# Altium PCB button_PVT_P2_20180323.PcbDoc (continued)
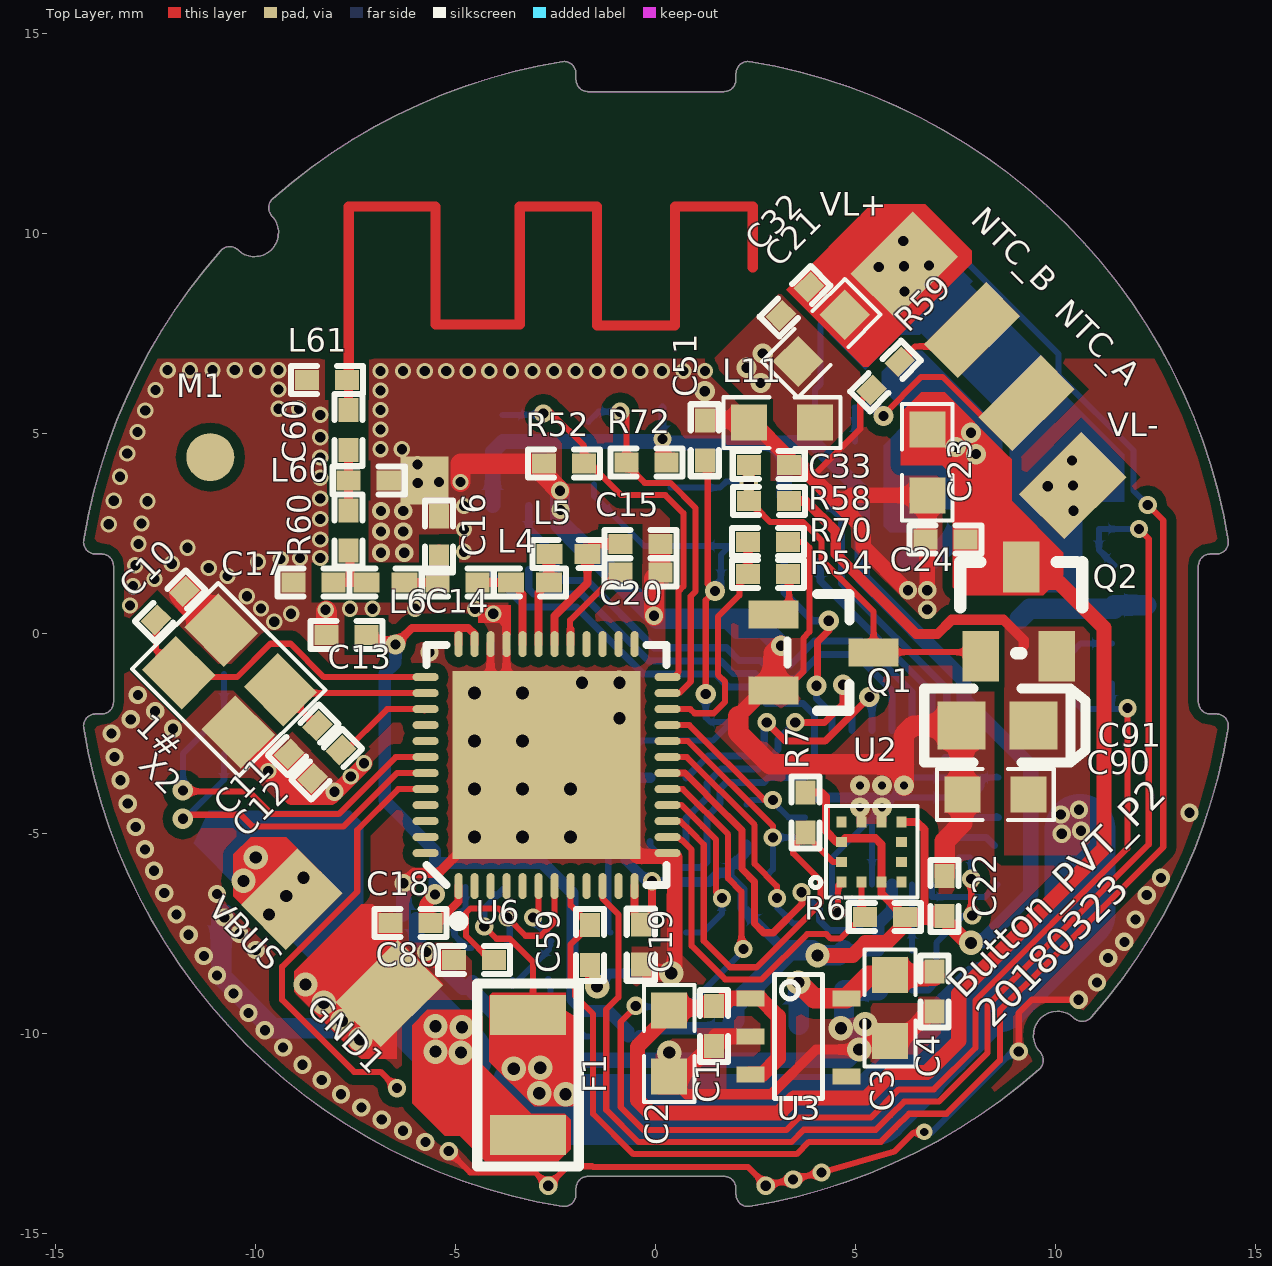
[diagram p0: Top Layer view]
## Part data
C1 C4 C22 C24 C30 C32 C33 C80: library part CAP, "厂家：Murata，型号：GRM155R71A104KA01D"
C2 C3 C21 C23 C90 C91: library part CAP, "厂家：Murata，型号：GRM188R61A106KE69D"
C10 C11: library part C0402-12p, "Capacitor, NP0, ±2%"
C12 C18 C19: library part C0402-100n, "Capacitor, X7R, ±10%"
C13: library part C0402-1n0, "Capacitor, X7R, ±10%"
C14 C60: library part C0402-3.9p, "Capacitor, NP0, ±0.1pF"
C15: library part C0402-2n2, "Capacitor, X7R, ±10%"
C16: library part C0402-1.0p, "Capacitor, NP0, ±0.1pF"
C17: library part C0402-1.5p, "Capacitor, NP0, ±0.1pF"
C20: library part C0402-47n, "Capacitor, X7R, ±10%"
C51 C52 C59: library part CAP, "Capacitor"
C58: library part CAP, "1uF/10V/X7R/10%，0402"
C59 C61: library part CAP, "0.1uF/10V/X7R/10%，0402"
C88 C89: library part CAP, "0.22uF/10V/X7R/10%，0402"
D4: library part ESD_1, "厂家：ROHM，型号：VMNZC6.8CST2RA"
D5 D7: library part "Diode 1N4148", "High Conductance Fast Diode"
D11 D12: library part "D Schottky", "Schottky Diode"
F1: library part FUSE2, "厂家：万瑞和，型号：smd1206-200"
L4 L60 L61: library part L0402-4n7, "High frequency chip inductor ±5%"
L5 L8 L10 L11: library part L0402-27n, "High frequency chip inductor ±5%"
L6: library part L0402-3n3, "High frequency chip inductor ±5%"
M1: library part PAD1, "None"
Q1: library part 2N39, "NPN General Purpose Amplifier"
Q2: library part MOSFET, "P-Channel MOSFET"
Q3: library part MOSFET, "N-Channel MOSFET"
R6 R7 R8 R16 R17 R30 R31 R32 R33 R52 R54 R58 R59 R59 R60 R70 R72 R73 R74 R75 R86 R87 R89 R91 R92: library part RES1, "厂家：Yageo，型号：RC0402FR-0720RL"
SW1: "厂家：松下，型号：EVQPLMA15"
U1: library part SN3199, "厂家：SI-EN，型号：IS31FL3199-QFLS2-TR"
U2: library part LIS2DE12, "厂家：ST，型号：LIS2DH12"
U3: library part AP3410
U6: library part nRF51x22-QFAC, "Multi-protocol Bluetooth Low Energy, ANT and 2.4GHz proprietary system-on-chip"
X2: library part NX2520SA-16MHZ-STD-CSW-5, "XTAL SMD 2520, 16MHz, 8pF, ±40ppm"

## Free pads (board coordinates)
  rect 1.2x1.2 smd: 2(-5.791,3.835)

## Via types
v1: diameter 0.457, hole 0.254, Top Layer to Bottom Layer, tented both sides, 97 vias
v2: diameter 0.406, hole 0.254, Top Layer to Bottom Layer, tented both sides, 80 vias
v3: diameter 0.61, hole 0.305, Top Layer to Bottom Layer, tented both sides, 29 vias
v4: diameter 0.508, hole 0.254, Top Layer to Bottom Layer, tented both sides, 19 vias
v5: diameter 0.66, hole 0.33, Top Layer to Bottom Layer, 10 vias
v6: diameter 0.5, hole 0.2, Top Layer to Bottom Layer, tented both sides, 5 vias
v7: diameter 0.406, hole 0.203, Top Layer to Bottom Layer, tented both sides, 1 vias

## Nets (pads, with @x,y where several pads share a name; then routed paths per layer and width w, separated by ;. In a path a pad name is that pad's centre, name@x,y a point inside that pad or via, vN(x,y) a via of type N, cw(c..) or ccw(c..) an arc to the next point about the centre after c; other vN are vias at no path point)
+3V3: C3.1 C4.1 L8.2 U3.5 | length 4.9
  Top Layer w0.508: v3(3.556,-8.712) 3.952,-9.108 U3.5 5.323,-8.547 C4.1@6.96,-8.547
  Bottom Layer w0.508: v3(3.556,-8.712) 3.569,-8.725 L8.2 L8.2@3.569,-9.775
ADC_3V3: C52.2 R89.1 U6.6 | length 3.6
  Top Layer w0.152: v1(-3.073,-7.087) -2.936,-6.95 U6.6
  Bottom Layer w0.152: C52.2@-3.589,-8.802 -3.583,-8.795 -3.57,-8.783 -2.68,-7.893 -2.68,-7.81 -2.642,-7.772 R89.1@-2.677,-7.737 ; C52.2@-3.589,-8.712 C52.2@-3.589,-8.65 ; v1(-3.073,-7.087) -3.073,-7.163 -2.692,-7.544 R89.1@-2.692,-7.628 ; R89.1@-2.739,-7.548 R89.1@-2.739,-7.675 ; R89.1@-2.692,-7.679 R89.1@-2.692,-7.675 ; R89.1@-2.739,-7.675 R89.1@-2.692,-7.628 ; R89.1@-2.739,-7.675 R89.1@-2.692,-7.675 ; R89.1@-2.739,-7.675 -2.701,-7.713 -2.688,-7.726 R89.1@-2.677,-7.737 ; R89.1@-2.692,-7.675 -2.615,-7.675 R89.1@-2.677,-7.737 ; R89.1@-2.692,-7.675 R89.1@-2.692,-7.628
ADC_5V: C80.1 R75.1 U6.7 | length 5.9
  Top Layer w0.152: C80.1 -4.14,-8.153 -4.75,-7.544 -4.75,-6.971 -4.637,-6.858 -3.937,-6.858 v1(-3.708,-7.087) -3.708,-7.098 -3.263,-7.543 -2.884,-7.543 -2.536,-7.196 U6.7
  Bottom Layer w0.152: v1@-3.81,-7.087 -3.657,-7.239 -3.657,-7.705 R75.1@-3.59,-7.772
ADC_TEMP: C59.2@-1.651,-7.272 R92.2 U6.8 | length 49.4
  Top Layer w0.152: U6.8 -2.136,-6.787 -1.651,-7.272 -2.136,-7.758 -2.136,-8.735 -2.022,-8.849 -2.022,-9.052 -1.575,-9.5 -1.575,-11.996 -0.566,-13.005 3.515,-13.005 3.821,-12.699 5.62,-12.699 5.984,-12.335 ; 5.985,-12.335 6.327,-11.993 7.26,-11.993 8.597,-10.656 8.597,-9.412 9.703,-8.306 12.683,-5.326 12.683,2.839 v1(12.295,3.227)
  Bottom Layer w0.152: R92.2 3.97,6.104 4.115,6.248 4.115,7.74 5.007,8.633 5.007,9.42 6.001,10.414 6.648,10.414 10.058,7.003 10.058,6.47 11.938,4.59 11.938,3.583 v1(12.295,3.227)
AGND: C21.2 C32.2 L11.1 Q3.2 R31.1 R32.2 | length 3.4
  Bottom Layer w0.508: 9.093,0.381 9.347,0.635 11.455,0.635 R31.1 12.26,0.719
  other v4: 2.616,6.274 2.261,6.655 2.667,7.01
ANT: C60.2 L61.2 | length 28.5
  Top Layer w0.229: C60.2 L61.2@-7.69,6.341
  Top Layer w0.254: L61.2@-7.682,6.349 -7.682,10.685 -5.515,10.685 -5.515,7.741 -3.407,7.741 -3.407,10.685 -1.476,10.685 -1.476,7.716 0.472,7.716 0.472,10.685 2.418,10.685 2.418,9.159
BLUE_1: D1.3 U1.15 | length 6.9
  Top Layer w0.178: v1(2.769,-2.21) 3.238,-2.68 4.229,-2.68 v4(5.334,-1.575)
  Bottom Layer w0.178: D1.3 1.301,-3.048 2.422,-3.048 2.705,-2.765 v1@2.705,-2.273 ; U1.15 v4@5.402,-1.583
  Bottom Layer w0.203: v1@2.705,-2.273 v1(2.769,-2.21)
BLUE_2: D2.3 U1.17 | length 13.6
  Bottom Layer w0.178: D2.3 -3.182,2.649 -2.491,1.958 -2.491,1.5 -2.325,1.333 -1.72,1.333 -0.044,-0.343 1.759,-0.343 2.077,-0.66 2.609,-0.66 2.739,-0.79 3.352,-0.79 3.964,-0.178 5.13,-0.178 6.402,-1.45 U1.17
BLUE_3: D3.3 U1.19 | length 8.6
  Bottom Layer w0.178: D3.3 4.637,2.913 4.637,1.266 4.724,1.179 7.269,-1.366 7.269,-2.189 7.747,-2.667 7.747,-3.073 7.732,-3.088 U1.19 U1.19@7.222,-3.088
BUTTON: C51.2 D11.2 D12.2 SW1.1 SW1.2 | length 20.2
  Top Layer w0.152: C51.2 1.295,4.268 1.295,1.255 v4(1.473,1.076) 1.245,0.848 v4(1.245,-1.499)
  Bottom Layer w0.152: D12.2@-1.549,3.734 -1.549,3.454 -0.295,2.2 SW1.1 1.626,1.976 v4@1.626,1.076 ; D11.2 -1.194,-7.417 -1.194,-3.505 -0.356,-2.667 1.422,-2.667 SW1.2@1.829,-2.261 ; v4(1.245,-1.499) 1.245,-2.083 1.362,-2.2 SW1.2
DEBUG_RX: RX.1 U6.43 | length 8.6
  Top Layer w0.152: v4@-11.625,-4.519 -10.38,-4.519 -10.091,-4.808 -7.809,-4.808 -6.478,-3.477 U6.43
  Bottom Layer w0.152: v4(-11.828,-4.62) -11.8,-4.648 -10.8,-3.648 RX.1
DEBUG_TX: TX.1 U6.42 | length 10.2
  Top Layer w0.152: v4@-11.777,-3.935 -10.177,-3.935 -9.609,-4.503 -8.694,-4.503 -8.693,-4.502 -8.251,-4.502 -8.249,-4.503 -8.248,-4.502 -7.933,-4.502 -6.509,-3.077 U6.42
  Bottom Layer w0.152: v4(-11.828,-3.909) -11.828,-2.989 -10.8,-1.961 TX.1
G_SCL: R7.2 U2.12 U6.15 | length 10.8
  Top Layer w0.152: U6.15 0.609,-4.677 0.865,-4.933 ; 0.865,-4.934 1.194,-5.263 1.194,-7.672 1.853,-8.331 2.516,-8.331 4.115,-6.732 4.115,-6.172 3.429,-5.486 3.429,-5.321 R7.2@3.738,-5.012 ; R7.2 R7.2@3.738,-5.012 ; U2.12 4.425,-5.699 R7.2@3.738,-5.012
G_SDA: R6.2 U2.2 U6.14 | length 9.4
  Top Layer w0.152: U6.14 0.306,-5.095 0.561,-5.095 0.567,-5.088 0.628,-5.149 0.65,-5.149 0.889,-5.388 0.889,-7.798 1.726,-8.635 2.642,-8.635 3.776,-7.501 4.259,-7.501 4.374,-7.616 4.602,-7.616 5.139,-7.079 U2.2
GND: C1.2 C2.2 C3.2 C4.2 C10.2 C11.2 C12.1 C13.2 C15.2 C16.2 C17.2 C18.2 C19.2 C20.2 C22.2 C23.2 C24.2 C30.2 C33.2 C51.1 C52.1 C58.2 C59.1@-1.651,-8.272 C59.2@4.699,-8.958 C80.2 C89.1 C90.2 C91.2 D4.2 D7.2 GND0.1 GND1.1 GND.1 L11.2 L60.1 L61.1 pad.2 Q1.1 R52.2 R59.1 R70.2 R74.1 R87.1 SW1. SW1.3 SW1.4 U1.4 U1.6 U1.10 U1.20 U1.21 U1.25 U2.1 U2.8 U2.9 U3.2 U6.13 U6.33 U6.34 U6.49 X2.2 X2.4 | length 145.3
  Top Layer w0.152: v1(-5.182,-12.929) -4.648,-13.462 -3.022,-13.462 v1(-2.692,-13.792) -2.208,-13.308 -1.595,-13.308 -1.576,-13.327 2.303,-13.327 v1@2.743,-13.767 ; v1(2.743,-13.792) 3.427,-13.631 v1(4.14,-13.462) 5.962,-12.942 6.432,-12.471 v7@6.706,-12.471 ; Q1.1 3.216,-1.407 3.683,-0.94 3.683,-0.102 3.835,0.051 3.835,2.159 3.694,2.3 R70.2 ; 3.899,3.924 5.105,5.131 5.105,5.817 R59.1@5.387,6.098 ; v2(4.547,-6.96) 4.547,-6.291 U2.1 ; v1(9.068,-10.439) 9.068,-9.474 9.398,-9.144 v1(10.566,-9.144)
  Top Layer w0.203: U6.49@-4.137,-1.814 U6.34 ; U6.49@-3.737,-2.214 U6.33@-3.737,-0.428 ; U6.49 -0.536,-5.477 U6.13 ; Q1.1@2.873,-1.405 2.875,-1.407 Q1.1@3.124,-1.656
  Top Layer w0.254: v1(-6.31,-6.23) v1@-6.285,-6.205 ; v1@-6.285,-6.23 v1@-6.285,-6.205 ; U6.49 -5.435,-5.976 -6.056,-5.976 v1@-6.285,-6.205 ; C59.1@-1.651,-8.272 -1.651,-8.636 -1.422,-8.865 v3@-1.422,-8.89 ; C2.2@0.33,-11.074 0.762,-11.506 2.883,-11.506 4.001,-10.389 v3(5.08,-10.389)
  Top Layer w0.308: Q1.1@2.7,-1.407 2.875,-1.407 Q1.1
  Top Layer w0.381: -9.29,-3.608 -9.29,-3.899 -9.104,-4.084 -8.868,-4.084 -8.866,-4.083 -8.125,-4.083 v2@-7.279,-3.237 ; v1(-5.74,-7.95) -5.537,-8.153 C80.2 ; U6.49@-0.536,-5.477 -0.452,-5.562 0.449,-5.562 0.47,-5.583 v3@0.47,-8.445 ; C19.2 -0.204,-8.445 v3@0.47,-8.445 ; C2.2@0.33,-11.189 C2.2 v3(0.33,-10.465) ; v3@0.381,-8.357 v3@0.47,-8.445 ; C2.2@0.483,-11.189 C1.2@1.613,-10.058 ; C51.1 1.235,5.359 2.362,5.359 3.319,4.402 C33.2 3.596,4.227 3.899,3.924 4.623,3.2 ; C1.2@1.486,-10.058 U3.2 ; v3(5.08,-10.389) 5.271,-10.198 6.083,-10.198 C4.2@6.841,-9.441 ; v1(6.299,1.092) 6.274,1.092 5.182,2.184 5.182,2.642 4.623,3.2 ; v1(6.782,1.092) C23.2 4.889,3.467 4.623,3.2
  Top Layer w0.4: 2.057,-2.05 Q1.1@2.7,-1.407
  Top Layer w0.508: C11.2 -9.17,-3.024 C12.1 ; C13.2 v2@-8.241,0.588 ; -7.256,-8.075 -6.633,-7.451 C18.2 ; v2(-4.888,3.803) -4.888,4.26 R52.2 -2.797,3.978 v1(-2.4,3.581) ; v1(-0.051,0.457) -0.051,1.383 C20.2 0.108,2.242 C15.2 ; 2.057,-2.05 2.057,-2.464 2.85,-3.256 6.199,-3.256 ; Q1.1 2.941,-0.479 v4(3.124,-0.295) ; v6(6.199,-3.791) 6.199,-3.256 ; C22.2@7.217,-6.047 7.217,-5.178 7.658,-4.737 C90.2 7.634,-3.989 C91.2 6.438,-2.286 6.199,-2.525 6.199,-3.256
  Top Layer w0.762: C10.2 -11.791,1.014 X2.4 ; X2.2@-10.562,-2.451 X2.2 -9.29,-3.608 -9.17,-3.608
  Bottom Layer w0.152: v2(4.547,-6.96) 4.406,-6.819 4.406,-6.267 U1.6 4.402,-5.588 U1.25@5.402,-4.588 ; U1.4 U1.25@5.402,-4.588 ; v7@6.706,-12.471 6.88,-12.471 8.912,-10.439 v1(9.068,-10.439) ; U1.21@7.577,-4.035 U1.21 ; C89.1@8.509,-3.564 C89.1@8.485,-3.588 ; C89.1@8.561,-3.588 C89.1@8.485,-3.588 ; U1.25@5.402,-4.588 v6(5.652,-4.338) 5.833,-4.157 U1.25@5.902,-4.088 ; U1.25@5.902,-4.088 U1.21 ; U1.25@5.902,-4.088 6.402,-3.588 8.128,-3.588 ; U1.21 7.875,-4.088 8.128,-3.835 8.128,-3.588 ; 8.128,-3.588 C89.1@8.485,-3.588
  Bottom Layer w0.254: v3@-1.549,-8.839 v3@-1.372,-8.839 ; v3@-1.499,-8.814 -1.168,-8.484 v3(0.381,-8.484) ; 1.829,0.381 1.829,0.178 2.007,0 2.525,0 SW1.@2.525,0.218 ; U1.10 5.764,-4.088 U1.25@5.833,-4.157
  Bottom Layer w0.381: R74.1@-6.31,-6.991 v1(-6.31,-6.23) ; R74.1@-5.994,-7.137 -5.994,-7.671 -4.826,-8.839 C52.1@-4.691,-8.839 ; C52.1@-4.589,-8.712 -4.589,-8.923 -3.988,-9.525 R87.1 -3.7,-9.914 -3.492,-10.122 -2.704,-10.122 -2.171,-10.655 0.14,-10.655 0.203,-10.592 0.203,-10.465 0.394,-10.655 4.813,-10.655 v3(5.08,-10.389)
  Bottom Layer w0.508: GND.1 -10.871,-7.071 -10.871,-8.56 -9.576,-9.855 v3@-7.671,-9.855 ; v1(-2.4,3.581) -2.4,2.75 SW1.4 -1.794,2.2 v1(-0.051,0.457) 0.025,0.381 1.829,0.381 2.448,0.381 v4(3.124,-0.295) ; v3(5.08,-10.389) 5.232,-10.236 v3(5.232,-9.754) 5.131,-9.855 v3(4.623,-9.855) 4.699,-9.779 4.699,-8.907 C58.2 ; D7.2 6.897,1.869 C30.2 R59.1@8.365,2.5
  other v1: 3.429,-13.64 -5.766,-12.7 -6.325,-12.421 -6.858,-12.141 -7.366,-11.836 -7.874,-11.506 -8.357,-11.151 -8.839,-10.77 -9.322,-10.338 -9.779,-9.906 -10.185,-9.474 -10.566,-8.992 11.024,-8.712 -10.973,-8.534 11.303,-8.103 -11.303,-8.052 -10.008,-7.899 11.709,-7.696 -11.684,-7.518 -10.414,-7.493 11.989,-7.137 -10.795,-7.087 -11.989,-7.01 12.268,-6.528 -10.973,-6.502 -12.294,-6.477 12.624,-6.096 -12.548,-5.918 -12.776,-5.385 -13.005,-4.826 13.335,-4.47 -13.208,-4.242 -8.038,-3.944 -13.386,-3.658 -13.538,-3.073 -13.614,-2.489 -12.076,-2.37 -13.132,-2.134 -12.522,-1.93 -12.954,-1.524 -5.664,-0.457 6.782,0.61 -6.877,2.031 -6.293,2.031 -6.877,2.564 -6.318,2.564 -6.877,3.072 -6.318,3.072 -2.388,3.099
  other v2: -7.631,-3.563 -9.695,-3.427 -7.301,-3.233 -9.542,0.307 -9.122,0.504 -4.067,0.504 -8.258,0.606 -9.872,0.637 -7.649,0.631 -7.09,0.631 -6.023,0.631 -4.524,0.631 -13.149,0.714 -10.228,0.942 -13.073,1.196 -12.539,1.374 -10.711,1.45 -11.179,1.647 -13.016,1.72 -12.108,1.755 -9.949,1.806 -9.384,1.872 -8.901,1.898 -8.393,1.898 -4.801,2.057 -11.713,2.155 -12.94,2.253 -8.393,2.361 -4.801,2.616 -13.682,2.746 -12.864,2.761 -8.393,2.873 -4.801,3.2 -13.555,3.33 -12.711,3.32 -8.393,3.385 -5.955,3.777 -5.421,3.803 -8.393,3.904 -13.397,3.93 -5.963,4.241 -8.393,4.412 -13.219,4.514 -6.887,4.622 -6.353,4.619 -8.393,4.92 -12.965,5.047 -6.887,5.11 -8.393,5.479 -12.768,5.59 -6.887,5.598 -9.435,5.631 -8.927,5.631 -12.514,6.098 -6.887,6.087 -9.435,6.114 -6.887,6.575 -6.322,6.575 -5.783,6.575 -5.244,6.575 -4.705,6.575 -4.166,6.575 -3.624,6.581 -3.088,6.575 -2.549,6.575 -2.01,6.575 -1.471,6.575 -0.932,6.575 -0.393,6.575 0.146,6.575 0.685,6.575 1.224,6.575 -12.209,6.597 -11.649,6.597 -11.089,6.597 -10.529,6.597 -9.969,6.597 -9.435,6.597
  other v3: -7.391,-10.135 -7.849,-9.677 -8.306,-9.22 -1.473,-8.814 -8.763,-8.763 -0.914,-2.108 -1.85,-1.219 -0.914,-1.219
  other v4: 1.219,6.071
  other v5: -4.536,-5.077 -3.336,-5.077 -2.136,-5.077 -4.536,-3.877 -3.336,-3.877 -2.136,-3.877 -4.536,-2.677 -3.336,-2.677 -4.536,-1.477 -3.336,-1.477
  other v6: 5.102,-4.338 5.105,-3.785 5.652,-3.788
  other v7: 6.706,-12.446
GREEN_1: D1.2 U1.14 | length 7.8
  Top Layer w0.178: v1(3.48,-2.21) 4.216,-2.21 4.674,-1.753 v4(4.674,-1.27)
  Bottom Layer w0.178: D1.2 0.755,-4.605 1.124,-4.236 1.13,-4.236 1.271,-4.094 1.271,-3.733 1.626,-3.378 2.559,-3.378 3.048,-2.889 3.048,-2.642 v1(3.48,-2.21) ; v4(4.674,-1.27) 4.674,-1.778 4.902,-2.007 U1.14
GREEN_2: D2.2 U1.16 | length 12.1
  Bottom Layer w0.178: D2.2 -3.182,1.125 -3.06,1.003 -1.857,1.003 -0.181,-0.673 1.623,-0.673 1.94,-0.991 2.473,-0.991 2.603,-1.12 3.489,-1.12 4.101,-0.508 4.993,-0.508 5.902,-1.417 U1.16
GREEN_3: D3.2 U1.18 | length 5.4
  Bottom Layer w0.178: D3.2 4.108,1.328 6.902,-1.467 U1.18
KEY_DET: D11.1 U6.16 | length 4.6
  Top Layer w0.152: U6.16 0.64,-4.277 1.17,-4.806 1.17,-4.808 1.499,-5.137 1.499,-6.452 v1(1.651,-6.604)
  Bottom Layer w0.152: D11.1 1.168,-7.468 1.651,-6.985 v1(1.651,-6.604)
KEY_ON: C33.1 D12.1 Q1.3 Q2.1 R58.1 | length 11.3
  Top Layer w0.152: C33.1 v1(2.319,3.785) 2.319,3.206 2.328,3.198 R58.1@2.328,3.239 ; R58.1@2.391,3.261 2.849,2.803 3.67,2.803 4.14,2.333 4.14,1.859 5.441,0.559 Q1.3 8.011,-0.455 Q2.1
  Bottom Layer w0.152: D12.1 1.6,3.658 1.753,3.81 2.294,3.81 v1(2.319,3.785)
LED_EN: U1.5 U6.18 | length 9.6
  Top Layer w0.178: U6.18 0.722,-3.477 1.791,-4.547 ; 1.795,-4.551 1.793,-4.551 2.147,-4.904 2.147,-5.876 2.464,-6.193 2.464,-7.239 2.692,-7.468 2.931,-7.468 3.646,-6.752 v1@3.646,-6.447
  Bottom Layer w0.178: v1@3.646,-6.447 4.089,-6.889 4.089,-7.162 4.339,-7.412 4.904,-7.412 4.909,-7.417 4.978,-7.417 5.105,-7.29 5.105,-6.857 5.036,-6.788 5.036,-6.763 U1.5@4.902,-6.629
  other v1: 3.637,-6.456
LED_SCL: R17.2 U1.9 U6.21 | length 5.1
  Top Layer w0.152: U6.21 0.832,-2.277 2.704,-4.15 v1(2.921,-4.15)
  Bottom Layer w0.152: R17.2 2.378,-4.15 v1(2.921,-4.15) 2.921,-4.191 3.318,-4.588 U1.9
LED_SDA: R16.2 U1.8 U6.20 | length 5.5
  Top Layer w0.152: U6.20 0.801,-2.677 2.921,-4.798 v1(2.921,-5.088)
  Bottom Layer w0.152: R16.2 2.921,-5.885 v1(2.921,-5.088) U1.8
LOADA_DET: R30.1 R31.2 U6.10 | length 33.6
  Top Layer w0.152: U6.10 -1.336,-6.614 -0.94,-7.01 -0.94,-9.082 -1.245,-9.387 -1.245,-11.896 -0.44,-12.7 3.39,-12.7 3.695,-12.395 5.494,-12.395 5.858,-12.031 ; 5.859,-12.031 6.201,-11.688 7.074,-11.688 8.292,-10.47 8.292,-9.285 12.319,-5.259 12.319,2.378 v1(12.073,2.624)
  Bottom Layer w0.152: R31.2 11.074,2.1 R30.1 v1(12.073,2.624)
NetC10_1: C10.1 U6.37 X2.1 | length 8.2
  Top Layer w0.152: C10.1 -12.498,-0.4 X2.1 ; X2.1@-11.74,-1.078 -10.475,-1.078 -9.64,-0.243 -9.137,-0.243 -8.302,-1.078 U6.37@-5.762,-1.078
NetC11_1: C11.1 U6.38 X2.3 | length 4.8
  Top Layer w0.152: X2.3 X2.3@-9.299,-1.478 ; C11.1 -8.485,-2.292 X2.3@-9.299,-1.478 ; C11.1@-8.437,-2.34 C11.1@-8.428,-2.34 ; U6.38@-5.762,-1.478 X2.3@-9.299,-1.478
NetC12_2: C12.2 U6.39 | length 2.6
  Top Layer w0.152: C12.2@-7.819,-2.975 -6.722,-1.878 -5.762,-1.878 U6.39@-5.79,-1.906
NetC14_1: C14.1 L4.2 U6.32 | length 2.5
  Top Layer w0.203: L4.2 -3.337,0.994 U6.32
  Top Layer w0.229: C14.1@-4.481,1.285 C14.1 L4.2
NetC14_2: C14.2 C16.1 L6.1 | length 1.7
  Top Layer w0.229: L6.1 C14.2 -5.427,1.285 C16.1 C16.1@-5.427,2.119
NetC15_1: C15.1 L5.1 U6.30 | length 3.5
  Top Layer w0.203: U6.30 -2.537,0.448 -1.713,1.272 L5.1 -1.459,2.25 C15.1
NetC17_1: C17.1 L6.2 R60.1 | length 1.7
  Top Layer w0.229: C17.1 -7.649,1.285 ; R60.1 -7.649,2.049 -7.649,1.285 ; L6.2 -7.649,1.285
NetC20_1: C20.1 U6.29 | length 2.9
  Top Layer w0.152: U6.29@-2.146,-0.262 -2.146,0.343 -1.078,1.412 C20.1@-0.845,1.412
  Top Layer w0.203: U6.29 -2.137,0.12 ; C20.1@-0.845,1.412 C20.1@-0.706,1.412
NetC60_1: C60.1 L60.2 R60.2 | length 1.5
  Top Layer w0.229: R60.2 C60.1
NetC61_1: C61.1 U1.1 | length 2.1
  Bottom Layer w0.152: U1.1 6.902,-6.579 8.222,-6.579 C61.1
NetC61_2: C61.2 U1.23 | length 1
  Bottom Layer w0.178: U1.23 8.255,-5.088 C61.2@8.458,-5.291
NetC88_1: C88.1 U1.2 | length 1.6
  Bottom Layer w0.152: C88.1 U1.2
NetC88_2: C88.2 U1.24 | length 4.6
  Top Layer w0.152: v1@7.882,-7.036 v1(7.882,-6.121)
  Bottom Layer w0.152: C88.2 6.815,-8.907 7.01,-8.712 7.01,-7.722 7.696,-7.036 v1(7.907,-7.036) ; U1.24 7.849,-5.588 7.882,-5.621 v1(7.882,-6.121)
NetC89_2: C89.2 U1.22 | length 1
  Bottom Layer w0.178: U1.22 C89.2@8.485,-4.588 ; C89.2@8.509,-4.564 C89.2@8.485,-4.588 ; C89.2@8.561,-4.588 C89.2@8.485,-4.588
NetD5_2: D5.2 Q3.3 R30.2 VL-.1
  other v1: 10.44,3.082 9.794,3.693 10.422,3.711 10.404,4.339
NetL4_1: L4.1 L5.2 U6.31 | length 2.4
  Top Layer w0.203: U6.31 -2.937,1.026 L4.1 -2.678,1.981 L5.2
NetNTC_B_1: NTC_B.1 R59.2@6.094,6.805 | length 2.1
  Top Layer w0.152: R59.2@6.094,6.805 6.477,7.188 7.491,7.188 NTC_B.1
NetQ1_2: Q1.2 R54.1 | length 1.3
  Top Layer w0.152: Q1.2@2.873,0.495 3.168,0.495 3.328,0.655 R54.1@3.328,1.45
NetQ3_1: Q3.1 R33.1 | length 1.1
  Bottom Layer w0.152: Q3.1@10.376,-0.483 10.622,-0.237 R33.1
NetR8_2: R8.2 U6.19 | length 5.9
  Top Layer w0.152: U6.19 0.77,-3.077 2.464,-4.771 2.464,-5.745 3.023,-6.303 v1(3.023,-6.604)
  Bottom Layer w0.152: v1@3.023,-6.579 v1(3.023,-6.604) 3.023,-6.833 3.429,-7.239 R8.2
NetR73_1: R73.1 R74.2 R75.2 | length 1.9
  Bottom Layer w0.152: R73.1 -4.767,-6.867 R74.2 -5.037,-7.536 -4.724,-7.849 R75.2@-4.615,-7.849
NetR86_1: R86.1 R87.2 R89.2 | length 2.2
  Bottom Layer w0.152: R89.2@-2.692,-8.628 -2.642,-8.679 R89.2 -2.642,-9.466 R87.2 -2.311,-9.525 -1.778,-10.058 R86.1
NetTP4_1: TP4.1 U6.44 | length 10.9
  Top Layer w0.152: v1(-6.477,-11.354) -6.883,-10.947 -7.544,-10.947 -9.347,-9.144 -9.347,-8.318 -7.469,-6.44 -7.469,-4.9 -6.447,-3.877 U6.44
NTC_A: NTC_A.1 R91.2 R92.1 | length 6.9
  Top Layer w0.152: v4(5.689,5.448) 5.689,5.485 6.629,6.426 7.163,6.426 8.225,5.364 8.86,5.364 NTC_A.1@9.673,6.176 ; v4@5.689,5.575 v4@5.689,5.6
  Bottom Layer w0.152: R92.1@4.969,5.665 R92.1 ; R91.2 R92.1 ; v4(5.689,5.448) 5.472,5.664 R92.1
PWM: R32.1 R33.2 U6.17 | length 33.1
  Top Layer w0.152: v1@-0.508,-9.322 -0.882,-9.696 -0.882,-11.827 -0.314,-12.395 3.264,-12.395 3.556,-12.103 3.556,-12.09 5.368,-12.09 6.074,-11.384 6.948,-11.384 7.988,-10.344 7.988,-9.159 11.786,-5.361 v1(11.786,-1.854) ; U6.17 0.671,-3.877 1.803,-5.009 1.803,-6.11 2.134,-6.441 v1@2.134,-7.849
  Bottom Layer w0.152: v1@-0.508,-9.322 0.776,-9.322 2.184,-7.914 v1(2.184,-7.874) ; R32.1 10.66,-1.88 11.405,-1.88 ; R33.2 11.405,-1.88 ; v1@11.862,-1.88 11.405,-1.88
  other v1: -0.508,-9.296
PWR_ON: R54.2 R70.1 U6.22 | length 6
  Top Layer w0.152: U6.22 0.862,-1.877 0.966,-1.981 1.444,-1.981 1.727,-1.698 1.727,-1.194 1.549,-1.016 1.549,0.431 2.083,0.965 2.083,1.283 R54.2 ; R54.2 R70.1
RED_1: D1.1 U1.11 | length 6
  Bottom Layer w0.178: D1.1 -0.145,-5.31 0.38,-5.836 1.13,-5.836 1.271,-5.694 1.271,-4.561 1.601,-4.231 1.601,-3.869 1.762,-3.708 2.696,-3.708 2.816,-3.588 U1.11
RED_2: D2.1 U1.12 | length 10.9
  Bottom Layer w0.178: D2.1 -4.082,1.479 -3.276,0.673 -1.994,0.673 -0.318,-1.003 1.486,-1.003 1.803,-1.321 2.337,-1.321 2.756,-1.74 3.675,-1.74 3.962,-2.028 3.962,-3.073 3.948,-3.088 U1.12
RED_3: D3.1 U1.13 | length 5.2
  Top Layer w0.178: v4@4.039,-1.27 4.039,-0.195 4.318,0.084 v4(4.318,0.33)
  Bottom Layer w0.178: D3.1 3.208,1.034 3.912,0.33 v4(4.318,0.33) ; v4@4.013,-1.27 v4(4.013,-1.295) 4.013,-1.612 4.402,-2.001 U1.13
SWCLK: R52.1 SWCLK.1 U6.24 | length 10.2
  Top Layer w0.152: v1(-2.819,5.512) -2.606,5.512 -1.797,4.703 R52.1 -1.658,4.26 -0.871,3.472 0.236,3.472 0.686,3.023 0.686,1.194 0.563,1.071 0.563,-0.955 0.441,-1.077 U6.24
  Bottom Layer w0.152: SWCLK.1@-3.84,5.479 -2.852,5.479 v1(-2.819,5.512)
SWDIO: R72.1 SWDIO.1 U6.23 | length 9.6
  Top Layer w0.152: v1(-0.896,5.555) -0.74,5.399 R72.1 ; R72.1@-0.805,4.35 R72.1 ; U6.23 0.578,-1.477 0.838,-1.217 0.868,-1.187 0.868,0.944 0.99,1.066 0.99,3.149 0.362,3.777 -0.287,3.777 -0.74,4.23 R72.1
  Bottom Layer w0.152: SWDIO.1@-1.688,5.301 -1.434,5.555 v1(-0.896,5.555)
VBUS: C90.1 C91.1 F1.1 Q2.2 R58.2 R73.2 | length 31.4
  Top Layer w0.152: v1(-4.293,-7.315) -3.988,-7.62 -3.658,-7.62 -3.073,-8.204 -3.073,-9.397 F1.1 F1.1@-4.007,-9.524
  Top Layer w0.254: R58.2 3.737,3.325 4.496,2.565 4.496,2.007 6.502,0 7.036,0 7.391,0.356 8.688,0.356 9.195,-0.151 9.195,-0.279 ; v1@10.533,-4.435 v1(10.576,-4.392) v1@10.649,-4.319
  Bottom Layer w0.152: v1@-4.293,-7.214 -4.293,-6.85 R73.2
  Bottom Layer w0.254: v1@10.508,-4.46 v1(10.576,-4.392)
  Bottom Layer w1.778: -3.226,-11.354 -2.692,-11.887 5.485,-11.887 6.426,-10.946 6.426,-10.897 7.074,-10.248 7.082,-10.248 7.692,-9.639 7.692,-9.631 8.255,-9.067 8.534,-9.067 10.601,-7 v1@10.601,-4.891
  other v1: 10.144,-4.996 10.627,-4.92 10.119,-4.513
  other v3: -2.261,-11.506 -2.921,-11.481 -3.556,-10.871 -2.896,-10.846
VBUS_IN: +5V.1 D4.1 F1.2 VBUS.1 | length 9.2
  Bottom Layer w0.762: +5V.1 -10.8,-5.227 -9.982,-6.045 ; -8.331,-4.852 -8.534,-5.056 -8.534,-5.755 -8.037,-6.252 ; -8.064,-6.252 -8.037,-6.252 ; -7.905,-6.252 -8.037,-6.252 ; -7.877,-6.413 -8.037,-6.252
  Bottom Layer w1.778: v3(-9.246,-6.553) -8.485,-6.553 ; -8.485,-7.036 v3@-4.979,-10.542
  other v3: -4.877,-10.465 -5.512,-10.439 -4.851,-9.83 -5.512,-9.804 -9.677,-7.01 -10.312,-6.172 -8.814,-6.096 -10.008,-5.588
VCC_MCU: C13.1 C18.1 C19.1 C22.1 C58.1 C59.1@4.699,-7.958 D1.4 D2.4 D3.4 L8.1 R6.1 R7.1 R8.1 R16.1 R17.1 R72.2 R86.2 R91.1 U1.3 U2.3 U2.7 U2.11 U6.1 U6.12 U6.35 U6.36 VCC.1 | length 82.9
  Top Layer w0.203: C13.1 -7.107,-0.16 -6.615,-0.16 v4(-6.514,-0.261) -6.101,0.151 -4.693,0.151 -4.537,-0.005 U6.35 ; C18.1@-5.633,-7.297 -5.545,-7.297 -4.936,-6.689 U6.1 ; U6.36 -4.937,0.141 ; U6.12 -0.536,-7.007 -0.381,-7.163 C19.1 ; C19.1@-0.411,-7.239 C19.1 ; v1(-0.102,-6.178) -0.102,-6.989 C19.1 ; R7.1 4.14,-3.962 4.246,-4.068 4.246,-4.928 4.517,-5.199 U2.11 4.733,-5.105 5.486,-5.105 5.639,-5.258 U2.3 5.639,-6.487 6.199,-7.047 R6.1@6.223,-7.071 ; U2.7 6.518,-4.699 6.71,-4.89 6.71,-6.956 R6.1@6.31,-7.05 ; R6.1@6.223,-7.071 6.231,-7.079 6.256,-7.104 6.282,-7.079 R6.1@6.31,-7.05 ; R6.1@6.223,-7.071 R6.1@6.31,-7.05 ; R6.1@6.223,-7.071 6.314,-7.047 R6.1@6.31,-7.05
  Top Layer w0.305: C18.1@-5.633,-7.297 -5.766,-7.164 -5.766,-6.753 v4(-5.523,-6.51) ; v1(0.16,4.877) 0.16,4.385 R72.2
  Top Layer w0.381: v3(4.039,-8.034) 4.92,-8.034 5.232,-7.722 5.752,-7.722 6.223,-7.251 R6.1@6.223,-7.079 ; R6.1@6.175,-7.047 6.199,-7.047 R6.1@6.223,-7.047 ; R6.1 R6.1@6.223,-7.079 ; R6.1@6.314,-7.047 R6.1@6.223,-7.047 ; v3@7.836,-7.709 v3@7.874,-7.671 ; v3(7.874,-7.722) 7.786,-7.722 7.214,-7.15 C22.1 7.182,-7.079 6.282,-7.079 6.231,-7.079 R6.1@6.223,-7.079 ; R6.1@6.223,-7.079 6.223,-7.071 R6.1@6.223,-7.047
  Bottom Layer w0.203: VCC.1 0.16,4.857 v1@0.203,4.814
  Bottom Layer w0.254: D1.4 -0.546,-3.594 -0.762,-3.81 -0.762,-5.648 -0.206,-6.204 1.333,-6.204 1.568,-5.969 R16.1 ; L8.1@1.74,-9.881 L8.1 ; R17.1 2.261,-5.436 1.837,-5.859 R16.1 ; 3.345,-7.907 3.216,-7.907 R8.1 2.159,-6.85 2.159,-6.394 1.861,-6.096 1.854,-6.096 1.837,-6.079 R16.1
  Bottom Layer w0.305: v4(-6.514,-0.261) -6.514,-0.722 -6.782,-0.991 -6.782,-4.166 -5.523,-5.424 -5.523,-5.867 ; v4(-5.523,-6.51) -5.523,-5.867 ; R86.2 -0.694,-9.923 -1.194,-9.423 -1.802,-9.423 -2.087,-9.139 -2.087,-6.473 -2.837,-5.723 -5.378,-5.723 -5.523,-5.867 ; R86.2@-0.414,-10.058 -0.178,-10.058 0.025,-9.855 L8.1@1.74,-9.855
  Bottom Layer w0.308: C59.1@4.699,-7.907 5.531,-7.907 5.547,-7.891 C58.1 5.563,-7.239 5.902,-6.899 U1.3
  Bottom Layer w0.381: D2.4 -4.082,4.554 -3.822,4.814 0.203,4.814 0.241,4.776 3.208,4.776 ; D3.4 3.208,4.776 ; R91.1@3.895,4.842 R91.1@3.895,4.814 ; v3@7.874,-7.671 8.189,-7.671 9.369,-6.491 9.369,-3.313 7.701,-1.644 7.701,-1.147 5.156,1.397 5.156,3.553 R91.1@3.933,4.776 ; 3.208,4.776 R91.1@3.933,4.776 ; R91.1@3.895,4.814 R91.1 R91.1@3.933,4.776 ; R91.1@3.895,4.814 R91.1@3.933,4.776
  Bottom Layer w0.508: L8.1 1.956,-9.665 1.956,-9.296 3.345,-7.907 3.912,-7.907 v3(4.039,-8.034) 4.572,-8.034 C59.1@4.699,-7.907
VLOAD: C21.1 C32.1 D5.1 L10.1 VL+.1
  other v1: 6.216,8.566 5.569,9.177 6.198,9.195 6.826,9.213 6.18,9.823
VOUT: C1.1 C2.1 C23.1 C24.1 C30.1 D7.1 L10.2 Q2.3 R59.2@8.365,3.5 U3.1 U3.3 | length 34.4
  Top Layer w0.254: C23.1 6.782,4.762 7.511,4.033 7.575,4.033 7.763,3.845 7.95,3.845
  Top Layer w0.381: C2.1@0.305,-9.538 C2.1@0.33,-9.512 ; C2.1 C2.1@0.33,-9.512 ; 1.72,-9.108 1.847,-9.108 ; U3.3@2.337,-11.008 U3.3 2.657,-11.008 3.055,-10.61 3.055,-9.558 2.606,-9.108 U3.1 1.847,-9.108 ; 7.683,1.295 10.058,1.295 11.198,0.156 11.198,-5.356 7.569,-8.985 7.569,-10.17 6.774,-10.965 5.9,-10.965 5.264,-11.601 3.452,-11.601 3.137,-11.917 3.137,-11.929 3.09,-11.976 -0.14,-11.976 -0.462,-11.654 -0.462,-10.318 0.33,-9.525 C2.1@0.33,-9.512 ; C2.1@0.33,-9.512 0.495,-9.347 1.608,-9.347 1.847,-9.108
  other v4: 8.001,4.496 7.493,4.674 7.874,5.029
pads on no net: M1.4 M1.5 U1.7 U2.4 U2.5 U2.6 U2.10 U3.4 U6.2 U6.3 U6.4 U6.5 U6.9 U6.11 U6.25 U6.26 U6.27 U6.28 U6.40 U6.41 U6.45 U6.46 U6.47 U6.48

## Polygon pours and split planes (outlines as drawn)
GND on Top Layer "Bottom Layer-No Net" (solid, remove dead copper, pour order 28): -13.792,6.883 13.03,6.883 15.24,4.674 15.24,-9.5 11.887,-12.852 10.287,-14.453 -7.341,-14.453 -15.215,-6.579 -15.215,5.131 -15.215,5.41 -13.767,6.858
AGND on Top Layer "Bottom Layer-No Net" (solid, remove dead copper, pour order 0): 1.372,6.807 3.987,4.192 5.841,6.046 3.226,8.661
VBUS on Top Layer "Bottom Layer-No Net" (solid, remove dead copper, pour order 8): 8.712,0.178 10.978,0.178 11.506,-0.35 11.506,-2.286 11.506,-5.055 11.201,-5.359 11.024,-5.537 9.754,-5.537 8.712,-5.537
GND on Bottom Layer "Bottom Layer-No Net" (solid, remove dead copper, pour order 30): -13.792,6.883 13.03,6.883 15.24,4.674 15.24,-9.5 11.887,-12.852 10.287,-14.453 -7.341,-14.453 -15.215,-6.579 -15.215,5.131 -15.215,5.41 -13.767,6.858
AGND on Bottom Layer "Bottom Layer-No Net" (solid, remove dead copper, pour order 2): 9.398,0.914 7.747,0.914 7.45,0.617 7.45,-1.27 7.45,-1.938 8.89,-3.378 9.144,-3.632 12.954,-3.632 12.954,-1.422 9.906,-1.422 9.677,-1.194 9.677,-0.635 9.677,0.635
AGND on Bottom Layer "Bottom Layer-No Net" (solid, remove dead copper, pour order 4): 2.692,5.486 1.664,6.515 1.664,7.099 3.81,9.246 3.81,10.82 5.258,12.268 7.264,12.268 7.925,11.608 8.128,11.405 8.128,10.846 7.264,9.982 7.112,9.982 4.724,7.595 4.724,6.985 4.724,6.655 3.886,5.817 3.556,5.486 2.642,5.486
AGND on Bottom Layer "Bottom Layer-No Net" (solid, remove dead copper, pour order 6): 12.261,-3.632 14.634,-3.632 14.808,-1.499 14.808,-0.025 14.808,8.077 9.5,13.386 6.375,13.386 5.258,12.268 5.258,11.709 7.976,8.992 9.601,7.366 9.601,4.013 11.913,1.702 11.913,-1.499

## Keep-outs
Keep-Out Layer:
  the board outline again, w0.013

## Other copper
Top Layer:
  region net VBUS_IN: -2.286,-11.989 -2.134,-12.141 -2.134,-12.878 -2.438,-13.183 -4.267,-13.183 -4.902,-12.548 -5.283,-12.548 -6.096,-11.735 -6.096,-9.779 -5.715,-9.398 -4.496,-9.398 -4.343,-9.55 -4.343,-10.77 -3.124,-11.989
  region net VBUS: -4.089,-8.966 -2.261,-8.966 -2.261,-9.423 -1.829,-9.677 -1.829,-11.557 -2.083,-11.811 -3.048,-11.811 -4.166,-10.693 -4.166,-9.042
  region net GND: -4.445,0.717 -3.635,0.717 -3.635,-0.029 -3.661,-0.054 -3.686,-0.029 -3.839,-0.029 -3.839,0.2 -3.915,0.276 -4.445,0.276
  region net GND: -7.366,-6.756 -9.042,-8.433 -9.042,-8.941 -7.366,-10.617 -6.477,-10.617 -6.477,-9.906 -5.321,-8.75 -6.655,-7.417 -6.655,-7.188 -7.087,-6.756
  region net VBUS_IN: -10.135,-5.08 -10.566,-5.512 -10.566,-6.553 -10.16,-6.96 -9.322,-6.96 -8.344,-5.982 -9.246,-5.08
  region net VLOAD: 3.251,8.611 5.182,6.68 5.309,6.68 7.899,9.271 7.899,9.576 6.731,10.744 5.385,10.744
  region net VOUT: 6.121,4.216 7.417,4.216 7.417,3.531 7.874,3.531 8.28,3.531 8.738,3.988 8.738,4.521 7.214,6.045 6.629,6.045 6.121,5.537
  region net VOUT: 7.417,2.235 7.417,1.168 7.62,0.965 9.677,0.965 10.185,1.473 10.185,2.032 8.89,3.327 8.89,4.369 8.738,4.521 7.849,4.521 7.417,4.089
Bottom Layer:
  rectangle net NetD5_2: 8.839,1.041 10.668,3.429
  region net VBUS_IN: -8.941,-4.42 -7.645,-4.42 -7.315,-4.75 -7.315,-6.934 -8.585,-8.204 -10.363,-6.426 -11.557,-5.232 -11.176,-4.42
  region net VOUT: 6.655,7.087 8.407,5.334 8.407,4.267 8.103,3.962 6.96,3.962 6.121,4.801 6.121,5.664 5.639,6.147 5.639,6.553 6.172,7.087
  region net VLOAD: 7.01,9.576 9.741,6.845 8.522,5.626 6.121,8.026 6.121,8.687
  region net NetD5_2: 9.5,6.299 9.906,6.299 11.709,4.496 11.709,3.302 8.839,3.302 8.839,5.639
  region net VOUT: 5.69,4.724 5.69,2.692 5.842,2.54 6.629,2.54 7.214,3.124 8.611,3.124 8.661,3.175 8.661,5.08 8.378,5.364 6.329,5.364
  region net VLOAD: 5.232,6.604 4.343,7.493 4.343,7.645 5.309,8.611 5.309,9.398 6.096,10.185 6.553,10.185 7.925,8.814 6.592,7.481 6.109,7.481 5.309,6.68

## Silkscreen, mask and mechanical layers (free items; w line width, h text height)
Top Overlay:
  text "1#" at -13.183,-2.489 h1 r315
  text "Button_PVT_P2" at 7.874,-9.322 h1.2 r45
  text "20180323" at 8.585,-10.058 h1.2 r45
Mechanical 1:
  circle w0.013: c0,0 r3.5
  circle w0.013: c0.508,-0.178 r9.4
  circle w0.013: c0,0 r12.2
  lines w0.013: -253.216,-466.921 43.784,-466.921 -253.216,-466.921 ; -1.4,-1.75 1.4,-1.75 1.4,1.75 -1.4,1.75 -1.4,-1.75 ; 2.55,-2.45 2.55,2.45 7.45,2.45 7.45,-2.45 2.55,-2.45
Mechanical 2:
  lines w0.013: -16.606,0 0,0 ; 0,-17.308 0,0 ; 0,18.538 0,0 ; 16.679,0 0,0
Mechanical 3:
  circle w0.013: c0,0 r12.5
  lines w0.013: -12.445,-1.697 -11.031,-0.283 -0.424,-10.889 -1.838,-12.304 -12.445,-1.697 ; 0.283,11.031 10.889,0.424 12.304,1.838 1.697,12.445 0.283,11.031